# Altium PCB X-LINK-A_V2.0.PcbDoc
Units mm, origin at the board's own origin, x right, y up, seen from the top; angles counter-clockwise.
Board outline 30 x 15 mm, 2 copper layers (Top Layer, Bottom Layer); 42 components, 43 nets, 146 pads, 39 vias.
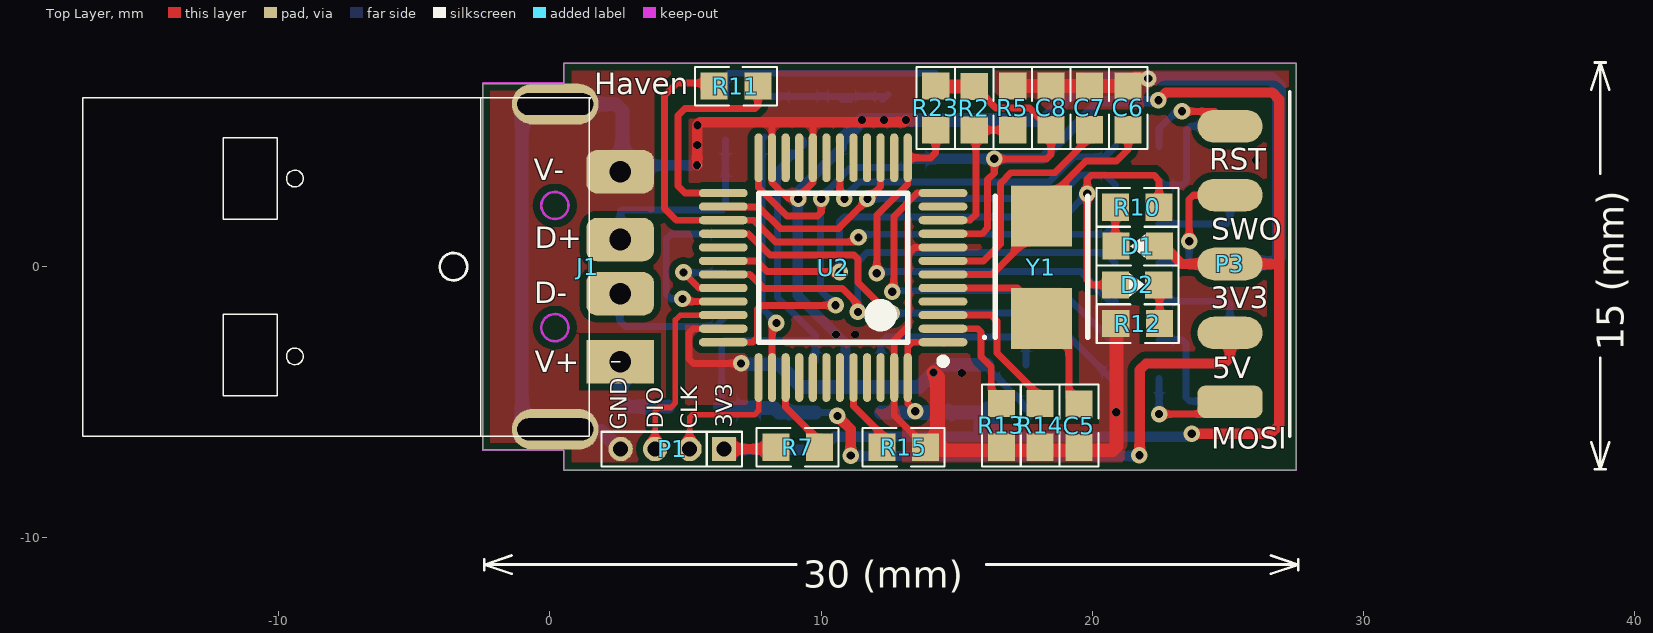
[diagram p0: Top Layer view]
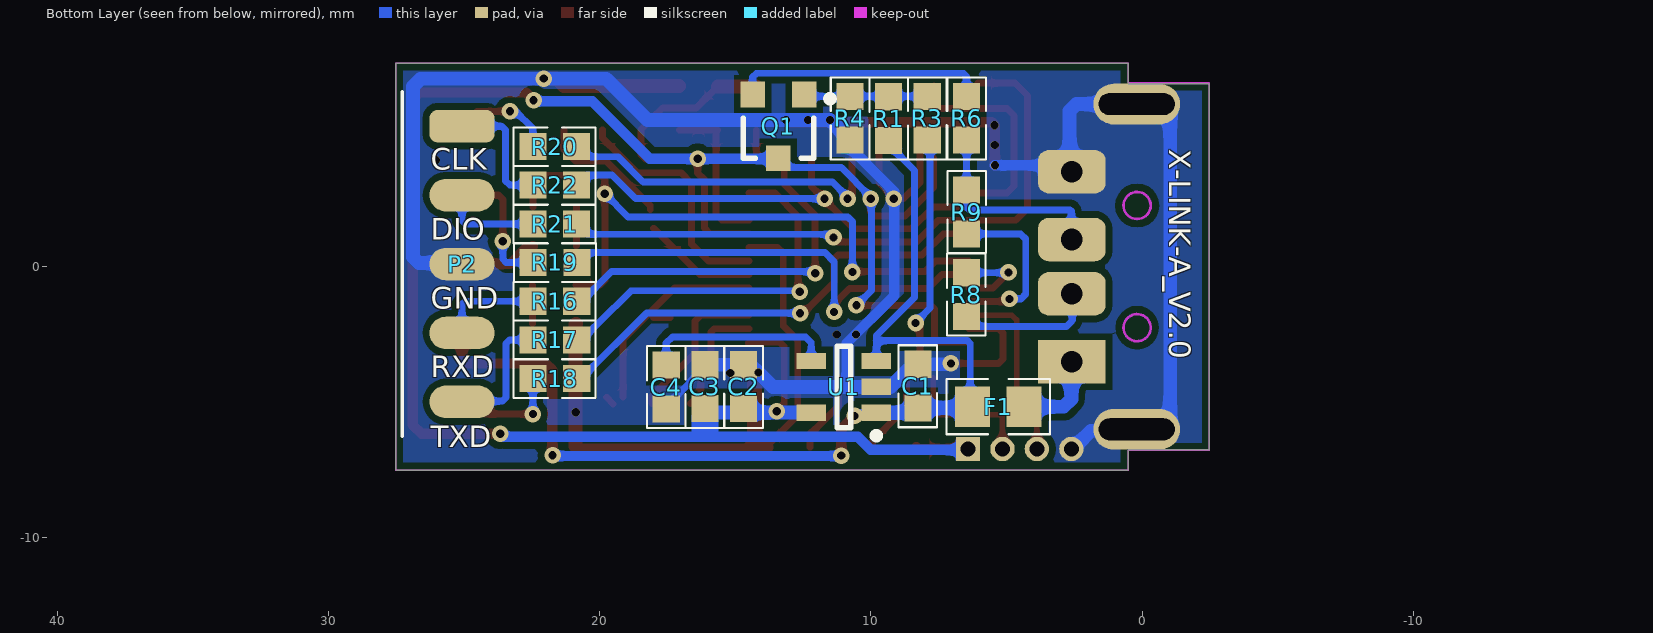
[diagram p1: Bottom Layer view, seen from below]

## Layer stack, top to bottom
Top Solder: solder mask 0.0102, Solder Resist, Dk 3.5
Top Layer: signal copper 0.0356
Dielectric1: dielectric 0.32, FR-4, Dk 4.8
Bottom Layer: signal copper 0.0356
Bottom Solder: solder mask 0.0102, Solder Resist, Dk 3.5

## Board outline
-2.477,-6.253 -2.477,6.75 0.523,6.75 0.523,7.5 27.523,7.5 27.523,-7.5 0.523,-7.5 0.523,-6.75 -2.477,-6.75

## Design rules (kind name [scope] priority, off if disabled: settings)
Clearance Clearance_GND [InPolygon] p1: gap=0.254 ignorepadtopadclearanceinfootprint=FALSE except(0: Arc-Hole Track-Hole SMDPad-Hole THPad-Hole Via-Hole Fill-Hole Poly-Hole Region-Hole Text-Hole)
Clearance [All] p2: gap=0.178 ignorepadtopadclearanceinfootprint=FALSE except(0: Arc-Hole Track-Hole SMDPad-Hole THPad-Hole Via-Hole Fill-Hole Poly-Hole Region-Hole Text-Hole)
HoleToHoleClearance [All] p1 off: gap=0.254 allowstackedmicrovias=TRUE
MinimumSolderMaskSliver [All] p1 off: minsoldermaskwidth=0.254
PlaneConnect [All] p1: planeconnectstyle=Direct reliefexpansion=0.508 reliefentries=4 reliefconductorwidth=0.254 reliefairgap=0.254
PolygonConnect [All] p1: connectstyle=Direct reliefconductorwidth=0.254 reliefentries=4 polygonreliefangle="90 Angle" airgapwidth=0.254
RoutingVias [All] p1: holewidth=0.305 width=0.61 viastyle="Through Hole" minholewidth=0.305 minwidth=0.61 maxholewidth=0.305 maxwidth=0.61
SilkToSilkClearance [All] p1 off: silktosilkclearance=0.254
SilkToSolderMaskClearance SilkscreenOverComponentPads [IsPad] p1 off: minsilkscreentomaskgap=0.254 clearancetoexposedcopper=TRUE
SolderMaskExpansion [All] p1: expansion=0.102
Width [All] p1: maxlimit=0.508 minlimit=0.203 preferedwidth=0.203
25 further rules are at their usual default settings.

## Components (designator, comment, footprint, x,y, rotation, side; value= is the part's Value field where it differs from the comment)
C1 "Cap" C-0603 8.27,-4.408 r270 bottom
C2 "Cap" C-0603 14.695,-4.428 r270 bottom
C3 "Cap" C-0603 16.123,-4.428 r270 bottom
C4 "Cap" C-0603 17.548,-4.43 r90 bottom
C5 "Cap" C-0603 19.509,-5.858 r90 top
C6 "Cap" C-0603 21.322,5.847 r270 top
C7 "Cap" C-0603 19.899,5.848 r270 top
C8 "Cap" C-0603 18.48,5.848 r270 top
D1 "LED_G" SMT_LED_0603 21.675,0.758 r180 top
D2 "LED_R" SMT_LED_0603 21.648,-0.674 r0 top
F1 "Fuse1" 0805-1 5.305,-5.162 r0 bottom
J1 "USB" USB-B 1.4,0 r90 top
P1 "SWD" SIP4-1.27 6.421,-6.721 r0 top
P2 "P-BOTTOM" HEADER_5 25.075,5.177 r270 bottom
P3 "P-TOP" HEADER_5 25.075,-4.981 r90 top locked
Q1 "NPN" SOT23-3 13.412,5.175 r0 bottom
R1 "Res1" 0603-1 9.347,5.454 r90 bottom
R2 "Res2" 0603-1 15.647,5.833 r90 top
R3 "Res1" 0603-1 7.925,5.479 r270 bottom
R4 "Res1" 0603-1 10.77,5.479 r270 bottom
R5 "Res2" 0603-1 17.066,5.858 r270 top
R6 "Res1" 0603-1 6.477,5.479 r270 bottom
R7 "Res2" 0603-1 9.146,-6.657 r180 top
R8 "Res2" 0603-1 6.484,-1.036 r90 bottom
R9 "Res2" 0603-1 6.471,2.021 r270 bottom
R10 "Res2" 0603-1 21.649,2.192 r0 top
R11 "Res2" 0603-1 6.857,6.656 r0 top
R12 "Res2" 0603-1 21.662,-2.101 r0 top
R13 "Res1" 0603-1 16.65,-5.846 r270 top
R14 "Res1" 0603-1 18.075,-5.846 r270 top
R15 "Res2" 0603-1 13.054,-6.657 r180 top
R16 "Res2" 0603-1 21.646,-1.276 r0 bottom
R17 "Res2" 0603-1 21.646,-2.702 r0 bottom
R18 "Res2" 0603-1 21.646,-4.128 r0 bottom
R19 "Res2" 0603-1 21.642,0.154 r0 bottom
R20 "Res2" 0603-1 21.647,4.426 r0 bottom
R21 "Res2" 0603-1 21.65,1.571 r0 bottom
R22 "Res2" 0603-1 21.647,3.007 r0 bottom
R23 "Res1" 0603-1 14.228,5.858 r270 top
U1 "SPX3819" SOT23-5 11.002,-4.43 r0 bottom
U2 "STM32F103CBT6" LQFP48_N 10.446,-0.036 r180 top locked
Y1 "8M" "XAL5032 2-Leads" 18.124,-0.008 r90 top

## Footprints (in the part's own frame and the unit in brackets; to place one, negate y for a bottom-side part, rotate by r counter-clockwise, add the part's x,y. Pads: shape width x height; smd on the part's side, far side on the other; paste and mask are expansions set on the pad)
0603-1 [mm]
  rect 1x1 smd: 1(-0.799,0) 2(0.813,0)
  silkscreen extent -1.5,-0.71 1.52,0.71, body extent -0.8,-0.4 0.8,0.4, height 0.3
0805-1 [mm]
  rect 1.3x1.5 smd: 1(-0.95,0) 2(0.95,0)
  silkscreen extent -1.91,-1.02 1.91,1.02, body extent -1,-0.62 1,0.63, height 0.5
C-0603 [mm] "贴?"
  rect 1x1 smd: 1(-0.813,0) 2(0.799,0)
  silkscreen extent -1.51,-0.71 1.51,0.71, body extent -0.8,-0.4 0.8,0.4, height 0.3
HEADER_5 [mm]
  rrect50% 1.2x2.4 smd: 1(0,0)
  oval 1.2x2.4 smd: 2(2.54,0) 3(5.08,0) 4(7.62,0) 5(10.16,0)
  silkscreen extent -1.27,-2.21 11.43,-2.21, body extent -1.27,-10.75 11.43,0.79, height 1.78
LQFP48_N [mm] "Thin QFP, 48-Leads, Body 7x7mm, Pitch 0.5mm, IPC Medium Density"
  oval 1.8x0.3 smd: 1(-4.05,2.75) 2(-4.05,2.25) 3(-4.05,1.75) 4(-4.05,1.25) 5(-4.05,0.75) 6(-4.05,0.25) 7(-4.05,-0.25) 8(-4.05,-0.75) 9(-4.05,-1.25) 10(-4.05,-1.75) 11(-4.05,-2.25) 12(-4.05,-2.75) 25(4.05,-2.75) 26(4.05,-2.25) 27(4.05,-1.75) 28(4.05,-1.25) 29(4.05,-0.75) 30(4.05,-0.25) 31(4.05,0.25) 32(4.05,0.75) 33(4.05,1.25) 34(4.05,1.75) 35(4.05,2.25) 36(4.05,2.75)
  oval 0.3x1.8 smd: 13(-2.75,-4.05) 14(-2.25,-4.05) 15(-1.75,-4.05) 16(-1.25,-4.05) 17(-0.75,-4.05) 18(-0.25,-4.05) 19(0.25,-4.05) 20(0.75,-4.05) 21(1.25,-4.05) 22(1.75,-4.05) 23(2.25,-4.05) 24(2.75,-4.05) 37(2.75,4.05) 38(2.25,4.05) 39(1.75,4.05) 40(1.25,4.05) 41(0.75,4.05) 42(0.25,4.05) 43(-0.25,4.05) 44(-0.75,4.05) 45(-1.25,4.05) 46(-1.75,4.05) 47(-2.25,4.05) 48(-2.75,4.05)
  silkscreen extent -4.18,-2.75 2.75,3.57, body extent -4.53,-4.47 4.47,4.53, height 1.45
SIP4-1.27 [mm]
  rect 0.9x0.9 hole 0.55: 1(0,0)
  round 0.9 hole 0.55: 2(-1.27,0) 3(-2.54,0) 4(-3.81,0)
  silkscreen extent -4.52,-0.64 0.66,0.64
SMT_LED_0603 [mm]
  rect 1x1 smd: 1(-0.8,0) 2(0.8,0)
  silkscreen extent -1.5,-0.71 1.52,0.71, body extent -0.81,-0.4 0.81,0.4, height 0.6
SOT23-3 [mm]
  rect 0.9x0.95 smd: 1(-0.95,-1.175) 2(0.95,-1.175) 3(0,1.175)
  silkscreen extent -2.03,-1.14 1.3,1.18, body extent -1.45,-1.4 1.45,1.4, height 1.2
SOT23-5 [mm] "Max4173"
  rect 1.1x0.6 smd: 1(-1.2,0.95) 2(-1.2,0) 3(-1.2,-0.95) 4(1.2,-0.95) 5(1.2,0.95)
  silkscreen extent -1.32,-1.5 0.25,1.92, body extent -1.4,-1.45 1.4,1.45, height 1.2
USB-B [mm]
  rect 1.6x2.5 hole 0.8: 1(-3.5,-1.195)
  rrect50% 1.6x2.5 hole 0.8: 2(-1,-1.195) 3(1,-1.195) 4(3.5,-1.195)
  oval 1.5x3.2 hole 0.8 slot 2.8 at 90 deg: 5(5.994,1.195) 6(-5.994,1.195)
  silkscreen extent -6.25,-1.2 6.25,18.62, body extent -6.25,-1.43 6.25,18.6, height 4.52
"XAL5032 2-Leads" [mm] "DFN, 2-Leads, Body 3.20x5.00mm, Pitch 3.70mm, IPC Low Density"
  rect 2.25x2.25 smd: 1(-1.905,0) 2(1.88,0)
  silkscreen extent -2.65,-1.7 2.6,2.15, body extent -2.5,-1.6 2.5,1.6, height 1

## Part data
C1 C2 C3 C4 C8: "Capacitor"
D1 D2: library part LED2, "Typical RED, GREEN, YELLOW, AMBER GaAs LED"
F1: "保?"
J1: "USB接?"
P1: library part "Header 4", "Header, 4-Pin"
P2 P3: library part "Header 5", "Header, 5-Pin"
Q1: library part NPN1, "贴?"
R1 R3 R4 R6 R13 R14: "贴?"
R2 R5 R7 R8 R9 R10 R11 R12 R15 R16 R17 R18 R19 R20 R21 R22: "Resistor"
R23: "贴片电阻"
U2: library part STM32F103C8T6, "STM32 ARM-based 32-bit MCU with 64 Kbytes Flash, 48-pin LQFP, Industrial Temperature"
Y1: library part XTAL, "Crystal Oscillator"

## Via types
v1: diameter 0.61, hole 0.305, Top Layer to Bottom Layer, 27 vias
v2: diameter 0.305, hole 0.305, Top Layer to Bottom Layer, 12 vias

## Nets (pads, with @x,y where several pads share a name; then routed paths per layer and width w, separated by ;. In a path a pad name is that pad's centre, name@x,y a point inside that pad or via, vN(x,y) a via of type N, cw(c..) or ccw(c..) an arc to the next point about the centre after c; other vN are vias at no path point)
3.3V: C2.2 C3.2 C8.2 D1.1 P1.1 P3.3 Q1.3 R2.2 R7.2 R23.1 U1.5 U2.1 U2.9 U2.24 U2.36 U2.48 | length 98.1
  Top Layer w0.254: U2.36@6.402,-2.793 U2.36 7.471,-2.787 7.652,-2.606 7.652,-1.567 7.794,-1.424 v1(10.536,-1.424) ; U2.24 7.696,2.92 8.745,1.872 9.867,1.872 10.011,2.015 v1(10.011,2.506) ; v1(13.476,-5.329) 13.196,-5.049 13.196,-2.941 13.351,-2.787 U2.1 U2.1@14.522,-2.812 ; R23.1 R23.1@14.234,6.651 ; U2.9 15.924,1.213 16.14,1.429 16.14,3.212 16.388,3.46 v1(16.388,3.982) 16.4,3.97 18.307,3.97 18.48,4.143 C8.2 18.48,5.062 17.69,5.852 16.44,5.852 R2.2
  Top Layer w0.381: P1.1 8.269,-6.721 R7.2 ; v1(22.437,6.133) 22.727,6.423 26.626,6.423 26.89,6.16 26.89,3.724 ; D1.1@22.47,0.758 22.555,0.672 22.731,0.672 23.305,0.099 P3.3 ; v1@23.634,-6.136 23.66,-6.162 v1(23.665,-6.162) 26.567,-6.162 26.89,-5.839 26.89,0.024 ; P3.3@24.897,-0.079 P3.3 ; 26.885,3.728 26.89,3.724 ; P3.3 26.815,0.099 26.89,0.024 ; 26.89,0.024 26.89,3.724
  Top Layer w0.508: R23.1@14.234,6.651 14.24,6.645 R2.2
  Bottom Layer w0.254: v1(10.536,-1.424) 9.986,-0.875 9.986,2.356 10.011,2.38 v1(10.011,2.506) 10.011,2.574 11.093,3.656 13.068,3.656 Q1.3 ; v1@13.329,-5.476 v1(13.476,-5.329) v1@13.441,-5.364
  Bottom Layer w0.381: P1.1@6.496,-6.826 6.568,-6.754 10.003,-6.754 10.486,-6.271 15.817,-6.271 ; U1.5 12.219,-5.364 v1@13.441,-5.364 ; Q1.3 13.437,3.975 18.155,3.975 20.278,6.098 22.402,6.098 v1(22.437,6.133) ; C2.2@14.447,-5.476 14.542,-5.38 C2.2@14.559,-5.364 ; C2.2 C2.2@14.559,-5.364 ; C2.2@14.829,-5.517 14.692,-5.38 14.675,-5.364 C2.2@14.559,-5.364 ; C3.2@16.252,-5.517 16.004,-5.517 C3.2@15.834,-5.517 ; v1@23.599,-6.215 23.542,-6.271 16.424,-6.271 ; 15.817,-6.271 16.424,-6.271 ; 15.817,-6.271 15.817,-5.534 C3.2@15.834,-5.517 ; C3.2@15.834,-5.517 15.971,-5.38 C3.2 16.424,-5.529 16.424,-6.271
  Bottom Layer w0.508: U1.5 14.542,-5.38 14.692,-5.38 C3.2@15.971,-5.38 ; C3.2 16.123,-6.062 16.13,-6.069
5V: C1.2 F1.2 P3.2 R1.1 U1.1 U1.3 | length 39.6
  Top Layer w0.381: v1(10.603,-5.503) 11.091,-5.992 v1(11.091,-6.962) ; v1(21.737,-6.95) 21.744,-6.943 21.744,-3.807 21.982,-3.569 24.862,-3.569 25.075,-3.355 P3.2
  Bottom Layer w0.254: F1.2@6.498,-5.334 6.34,-5.177 6.34,-2.824 6.436,-2.727 9.802,-2.727 ; R1.1 9.347,4.487 8.397,3.537 8.397,-1.136 9.802,-2.541 9.802,-2.727 ; U1.1 10.48,-5.38 v1(10.603,-5.503) ; U1.3 9.802,-2.727
  Bottom Layer w0.381: v1@11.139,-6.976 v1@21.737,-6.976
  Bottom Layer w0.508: F1.2@6.274,-5.16 F1.2@6.61,-5.222 ; F1.2@6.498,-5.334 F1.2@6.61,-5.222 ; U1.1 8.443,-5.38 C1.2 6.625,-5.207 F1.2@6.61,-5.222
BOOT0: R15.2 U2.44 | length 3
  Top Layer w0.254: U2.44 11.196,-5.136 12.241,-6.182 R15.2
GND: C1.1 C2.1 C3.1 C4.1 C5.1 C6.1 C7.1 C8.1 J1.4 J1.5 J1.6 P1.4 P2.3 R4.2 R5.1 R12.1 R13.2 R14.2 R15.1 U1.2 U2.8 U2.20 U2.23 U2.35 U2.47 | length 130.8
  Top Layer w0.254: J1.6@-0.211,-5.995 J1.6@0.051,-5.995 ; U2.35 5.289,-2.287 5.13,-2.446 5.13,-3.401 5.294,-3.565 v1(7.051,-3.565) ; 8.098,5.324 8.196,5.226 8.196,3.105 8.794,2.506 v1(9.161,2.506) 9.161,2.561 9.696,3.096 9.696,5.306 9.678,5.324 ; v2(14.144,-3.902) 14.144,-6.366 R15.1 13.853,-6.622 12.696,-5.465 12.696,-2.722 13.231,-2.187 13.231,0.495 13.449,0.713 U2.8
  Top Layer w0.381: v2(5.431,3.735) 5.435,3.739 v2(5.435,4.485) v2@5.435,5.224 ; v2(5.443,5.216) v2@5.435,5.224 ; v2(13.129,5.409) 13.044,5.324 9.678,5.324 8.098,5.324 5.535,5.324 v2@5.435,5.224
  Top Layer w0.508: R15.1 13.965,-6.769 14.544,-6.769 ; v2(14.144,-3.902) 14.312,-4.07 14.312,-6.537 14.544,-6.769 ; R5.1 21.319,6.657 C6.1 21.596,6.935 v1(22.061,6.935) ; R12.1@20.87,-2.102 20.888,-2.119 20.888,-6.62 20.739,-6.769 14.544,-6.769
  Bottom Layer w0.203: P1.4@2.58,-6.676 2.611,-6.706 P1.4
  Bottom Layer w0.254: J1.5@1.083,5.955 1.122,5.994 J1.5@1.36,6.232 ; J1.4@2.442,3.499 J1.4@2.623,3.68 ; U1.2 9.819,-4.414 10.901,-4.414 13.632,-4.414 13.654,-4.414 14.144,-3.924 v2(14.144,-3.902) ; C3.1@16.248,-3.902 C3.1 16.123,-3.709 17.544,-5.13 C4.1@17.544,-5.257 ; C4.1@17.684,-5.533 C4.1@17.684,-5.338
  Bottom Layer w0.381: J1.4@2.574,3.681 2.628,3.735 v2(5.431,3.735) ; v1(9.161,2.506) v1@9.161,2.777 ; R4.2 10.77,4.385 v1@9.161,2.777 ; 10.901,-4.414 10.901,-2.824 9.141,-1.064 9.141,2.757 v1@9.161,2.777
  Bottom Layer w0.508: J1.4@2.442,3.499 2.442,3.68 2.678,3.917 2.678,5.745 2.429,5.994 1.122,5.994 0.254,5.994 -0.897,5.994 -1.032,5.858 -1.032,-5.721 -0.759,-5.995 J1.6 0.257,-6.047 1.889,-6.047 2.517,-6.676 P1.4@2.58,-6.676 ; v1(7.051,-3.565) 7.082,-3.595 C1.1 8.442,-3.595 9.277,-4.43 U1.2 13.615,-4.43 13.632,-4.414 v2(14.144,-3.902) 14.43,-3.616 C2.1 C3.1 ; R4.2 v2(11.512,5.409) v2(13.129,5.409) 18.239,5.409 19.755,6.925 26.6,6.925 26.879,6.646 26.879,0.346 26.669,0.136 25.114,0.136 P2.3
  other v2: 20.881,-5.366 15.191,-3.918 10.547,-2.504 11.265,-2.504 26.037,3.924 12.32,5.409
NetC4_2: C4.2 U1.4 | length 7
  Bottom Layer w0.254: U1.4 12.202,-2.79 12.405,-2.587 17.318,-2.587 17.548,-2.818 C4.2
NetC5_2: C5.2 U2.5 Y1.1 | length 8.5
  Top Layer w0.254: U2.5 17.237,-0.787 18.136,-1.686 19.136,-2.686 C5.2@19.136,-4.812 ; Y1.1@17.398,-1.867 Y1.1@18.014,-1.867 ; C5.2 C5.2@19.755,-4.812
NetC6_2: C6.2 U2.6 Y1.2 | length 9.2
  Top Layer w0.254: U2.6 16.309,-0.287 Y1.2@18.014,1.418 ; Y1.2@18.136,2.099 18.136,2.261 19.767,3.892 20.89,3.892 21.322,4.324 C6.2
NetC7_2: C7.2 U2.7 | length 8.9
  Top Layer w0.254: U2.7 15.995,0.213 16.61,0.828 16.61,3.072 17.001,3.463 18.622,3.463 19.899,4.741 C7.2
NetD1_2: D1.2 R10.1 | length 1.4
  Top Layer w0.203: D1.2@20.85,0.784 D1.2
  Top Layer w0.254: D1.2@20.85,0.784 R10.1
NetD2_2: D2.2 R12.2 | length 1.4
  Top Layer w0.203: D2.2@22.47,-0.672 D2.2@22.482,-0.685
  Top Layer w0.254: R12.2@22.482,-2.102 D2.2@22.482,-0.685
NetQ1_1: Q1.1 R1.2 R3.1 R4.1 | length 5.4
  Bottom Layer w0.254: R3.1 R4.1 ; R4.1@10.764,6.158 11.079,6.158 11.076,6.156 R4.1 ; Q1.1@12.271,6.158 Q1.1@12.391,6.278 ; Q1.1 Q1.1@12.391,6.278 ; R4.1 Q1.1@12.391,6.278
NetQ1_2: Q1.2 R6.1 | length 9.4
  Bottom Layer w0.254: R6.1 6.477,7.012 6.594,7.13 14.223,7.13 14.362,6.99 Q1.2
NetR2_1: R2.1 R5.2 U2.10 | length 5.9
  Top Layer w0.254: U2.10 15.497,1.713 15.708,1.925 15.708,4.973 R2.1 17.054,5.033 R5.2
NetR7_1: R7.1 U2.39 | length 3.1
  Top Layer w0.254: U2.39 8.696,-5.169 9.945,-6.418 R7.1
NetR8_2: R8.2 U2.32 | length 3.3
  Top Layer w0.254: v1@4.925,-0.21 v1(4.929,-0.21) 5.191,-0.472 5.191,-0.475 5.503,-0.787 U2.32
  Bottom Layer w0.254: v1(4.929,-0.21) 4.942,-0.223 R8.2
NetR9_2: R9.2 U2.33 | length 6.5
  Top Layer w0.254: v1@4.906,-1.283 4.909,-1.287 U2.33
  Bottom Layer w0.254: v1(4.893,-1.188) 4.468,-1.188 4.293,-1.014 4.293,1.024 4.478,1.209 R9.2
NetR13_1: R13.1 U2.2 | length 4.4
  Top Layer w0.254: U2.2 15.766,-2.287 15.89,-2.411 15.89,-3.315 16.275,-3.7 16.275,-4.672 R13.1
NetR14_1: R14.1 U2.3 | length 5.8
  Top Layer w0.254: U2.3 16.265,-1.787 16.488,-2.009 16.488,-3.186 18.075,-4.773 R14.1
P_MOSI: P3.1 R18.2 | length 3.8
  Top Layer w0.254: v1@22.477,-5.45 v1(22.46,-5.433) P3.1@24.263,-5.433 ; P3.1@24.606,-5.45 P3.1
  Bottom Layer w0.254: R18.2 22.46,-4.13 v1(22.46,-5.433)
P_NRST: P3.5 R20.2 | length 3.8
  Top Layer w0.254: v1(23.306,5.728) 24.527,5.728 P3.5
  Bottom Layer w0.254: R20.2@22.465,4.431 R20.2 22.46,5.086 23.101,5.728 v1(23.306,5.728)
P_RXD: P2.4 R16.2 | length 3.7
  Bottom Layer w0.254: R16.2 24.968,-1.276 25.075,-1.383 P2.4@25.075,-2.442
P_SWCLK: P2.1 R22.2 | length 4.8
  Bottom Layer w0.254: R22.2@22.566,3.113 R22.2 23.313,3.007 23.465,3.158 23.465,5.032 23.611,5.179 25.073,5.179 P2.1
P_SWDIO: P2.2 R21.2 | length 3.6
  Bottom Layer w0.254: R21.2 24.943,1.571 25.075,1.703 P2.2
P_SWO: P3.4 R19.2 | length 5.5
  Top Layer w0.254: v1(23.57,0.937) 23.57,2.481 23.728,2.639 P3.4
  Bottom Layer w0.254: R19.2@22.821,0.521 R19.2 23.447,0.154 23.57,0.277 v1(23.57,0.937)
P_TXD: P2.5 R17.2 | length 4.7
  Bottom Layer w0.254: R17.2 23.327,-2.702 23.455,-2.83 23.455,-4.827 23.581,-4.953 25.044,-4.953 P2.5
STA_LED: D2.1 R10.2 U2.30 | length 24.5
  Top Layer w0.254: U2.30 7.612,0.213 8.006,-0.181 10.667,-0.181 v1(10.682,-0.196) ; D2.1@20.87,-0.672 19.984,-0.672 19.811,-0.498 v1(19.811,2.693) 19.811,3.217 19.965,3.372 22.267,3.372 22.462,3.177 R10.2
  Bottom Layer w0.254: v1(10.682,-0.196) 10.682,1.661 10.855,1.834 18.952,1.834 v1(19.811,2.693)
SWCLK0: P1.2 U2.37 | length 5
  Top Layer w0.203: P1.2 5.151,-5.552 5.243,-5.46 7.544,-5.46 7.696,-5.308 U2.37
SWDIO0: P1.3 U2.34 | length 7.2
  Top Layer w0.203: P1.3 3.879,-6.719 3.879,-5.324 4.012,-5.191 4.464,-5.191 4.632,-5.023 4.632,-1.965 4.81,-1.787 U2.34
T_JTCK: R22.1 U2.15 U2.26 | length 17.5
  Top Layer w0.254: U2.26 6.408,2.202 7.696,2.202 8.498,1.399 10.639,1.399 11.1,1.861 12.196,2.957 U2.15
  Bottom Layer w0.254: v1(11.71,2.506) 18.671,2.506 19.54,3.375 20.48,3.375 R22.1
T_JTDI: U2.17
T_JTDO: U2.16
T_JTMS: R11.1 R21.1 U2.27 | length 23.6
  Top Layer w0.254: R11.1@6.058,6.766 4.688,6.766 4.232,6.309 4.232,2.143 4.661,1.713 U2.27 7.518,1.713 8.326,0.905 11.135,0.905 11.309,1.079 v1(11.38,1.079)
  Bottom Layer w0.254: v1(11.38,1.079) 11.499,1.198 20.477,1.198 R21.1
T_MOSI: R18.1 U2.28 | length 17.2
  Top Layer w0.254: U2.28 7.33,1.213 8.113,0.43 11.215,0.43 11.356,0.289 11.356,-0.586 12.483,-1.713 v1(12.611,-1.713)
  Bottom Layer w0.254: v1(12.611,-1.713) 18.265,-1.713 20.68,-4.128 R18.1
T_NRST: R20.1 U2.18 | length 12.4
  Top Layer w0.254: U2.18 10.696,2.671 v1(10.861,2.506)
  Bottom Layer w0.254: v1(10.861,2.506) 10.861,2.571 11.417,3.127 18.394,3.127 19.319,4.052 20.475,4.052 R20.1
T_RXD: R16.1 R23.2 U2.13 | length 16.1
  Top Layer w0.254: v1(12.051,-0.238) 12.172,-0.238 12.061,-0.126 12.061,1.908 13.196,3.043 U2.13 14.031,4.013 14.228,4.211 R23.2
  Bottom Layer w0.254: v1(12.051,-0.238) 12.11,-0.179 19.558,-0.179 20.695,-1.316 20.807,-1.316 R16.1
T_SWDIO_IN: R11.2 U2.25 | length 8.2
  Top Layer w0.254: U2.25 4.988,2.713 4.727,2.974 4.727,5.571 4.99,5.834 7.563,5.834 7.67,5.941 R11.2
T_SWO: R19.1 U2.31 | length 17.3
  Top Layer w0.254: U2.31 7.372,-0.287 7.893,-0.807 10.783,-0.807 11.359,-1.382 v1(11.359,-1.668)
  Bottom Layer w0.254: v1(11.359,-1.668) 11.352,-1.662 11.352,0.18 11.7,0.528 20.469,0.528 R19.1
T_TXD: R17.1 U2.12 | length 14.2
  Top Layer w0.254: v1(12.621,-0.92) 12.621,-0.757 12.644,-0.78 v1@12.644,-0.848 ; U2.12 13.541,2.713 12.686,1.858 12.686,-0.806 v1@12.644,-0.848 ; v1@12.644,-0.848 12.644,-0.854 12.642,-0.851 v1@12.644,-0.848
  Bottom Layer w0.254: v1(12.621,-0.92) 12.653,-0.888 18.853,-0.888 20.045,-2.08 20.667,-2.702 R17.1
TXD0: U2.21
USB_N: J1.2 R8.1 | length 5.2
  Bottom Layer w0.254: J1.2@2.392,-1.001 2.584,-1.192 2.584,-1.995 2.788,-2.199 6.12,-2.199 R8.1
USB_P: J1.3 R6.2 R9.1 | length 7.5
  Bottom Layer w0.254: J1.3@2.392,0.999 2.609,1.216 2.609,2.046 2.657,2.094 6.374,2.094 6.471,2.191 R9.1 6.471,4.661 R6.2
USB_RENM: R3.2 U2.38 | length 8.9
  Top Layer w0.254: U2.38@8.196,-3.699 8.196,-2.27 v1@8.433,-2.034
  Bottom Layer w0.254: R3.2@7.911,4.778 7.823,4.69 7.823,-1.528 8.329,-2.034 v1@8.433,-2.034
  other v1: 8.356,-2.077
VBUS: F1.1 J1.1 | length 4.4
  Bottom Layer w0.508: J1.1@2.392,-3.501 2.609,-3.717 2.609,-4.875 2.894,-5.16 F1.1@4.353,-5.16 ; J1.1 2.708,-3.613 3.02,-3.613 3.073,-3.559 J1.1@3.59,-3.559 ; F1.1 F1.1@4.353,-5.16 ; F1.1@4.371,-5.143 F1.1@4.353,-5.16 ; F1.1@4.374,-5.16 F1.1@4.353,-5.16
pads on no net: U2.4 U2.11 U2.14 U2.19 U2.22 U2.29 U2.40 U2.41 U2.42 U2.43 U2.45 U2.46

## Polygon pours and split planes (outlines as drawn)
GND on Top Layer "GND" (solid, remove dead copper, pour order 13): -2.477,6.773 0.523,6.773 0.523,7.5 27.523,7.5 27.523,-7.5 0.523,-7.5 0.523,-6.771 -2.477,-6.771
GND on Bottom Layer "GND" (solid, remove dead copper, pour order 15): -2.477,6.773 -2.477,-6.771 0.523,-6.771 0.523,-7.5 27.523,-7.5 27.523,7.5 0.523,7.5 0.523,6.773

## Keep-outs
Keep-Out Layer:
  circle w0.1: c0.187,-2.247 r0.5
  lines w0.05: -2.477,-6.771 -2.477,-6.253 -2.477,5.877 -2.477,6.223 -2.477,6.773 0.523,6.773 0.523,7.5 27.523,7.5 27.523,-7.5 0.523,-7.5 0.523,-6.771 -2.477,-6.771
  lines w0.1: 0.687,2.274 ccw(c0.187,2.255) 0.687,2.255

## Silkscreen, mask and mechanical layers (free items; w line width, h text height)
Top Overlay:
  lines w0.1: -2.411,-11.182 -2.411,-10.782 ; -1.411,-11.315 -2.411,-10.982 ; -1.411,-10.648 -2.411,-10.982 ; 9.09,-10.982 -2.411,-10.982 ; 16.087,-10.982 27.589,-10.982 ; 26.589,-11.315 27.589,-10.982 ; 26.589,-10.648 27.589,-10.982 ; 27.589,-11.182 27.589,-10.782 ; 38.392,-6.469 38.725,-7.469 ; 38.392,6.531 38.725,7.531 ; 38.525,-7.469 38.925,-7.469 ; 38.525,7.531 38.925,7.531 ; 38.725,-3.361 38.725,-7.469 ; 38.725,3.422 38.725,7.531 ; 39.059,-6.469 38.725,-7.469 ; 39.059,6.531 38.725,7.531
  text "Haven" at 1.631,6.363 h0.8
  text "RST" at 24.318,3.567 h0.8
  text "SWO" at 24.391,0.997 h0.8
  text "3V3" at 24.367,-1.536 h0.8
  text "15 (mm)" at 39.587,-3.107 h1 r90
  text "5V" at 24.416,-4.106 h0.8
  text "3V3" at 6.722,-5.936 h0.6 r90
  text "DIO" at 4.176,-5.968 h0.6 r90
  text "CLK" at 5.444,-5.978 h0.6 r90
  text "GND" at 2.845,-6.009 h0.6 r90
  text "MOSI" at 24.391,-6.704 h0.8
  text "30 (mm)" at 9.344,-11.844 h1
Bottom Overlay:
  text "X-LINK-A_V2.0" at -1.003,4.322 h0.8 r90
  text "CLK" at 26.235,3.571 h0.8
  text "DIO" at 26.223,0.989 h0.8
  text "GND" at 26.235,-1.545 h0.8
  text "RXD" at 26.235,-4.079 h0.8
  text "TXD" at 26.235,-6.66 h0.8

## Text inside footprints (layer, text, board x,y; h text height)
J1: Top Overlay "D+" at -0.55,0.681 h0.8; Top Overlay "V+" at -0.552,-3.901 h0.8; Top Overlay "V-" at -0.585,3.188 h0.8; Top Overlay "D-" at -0.568,-1.348 h0.8